# Altium PCB HV_DAC_8ch-DIOT.PCBDOC (part 1 of 11)
Units mm, origin at the board's own origin, x right, y up, seen from the top; angles counter-clockwise.
Board outline 222.63 x 100.1 mm, 8 copper layers (L1, L2, L3, P4, L5, L6, P7, L8), stack 1.563 mm thick; 971 components, 607 nets, 3066 pads, 1424 vias.
Unrouted connection lines stored in the file: 1.
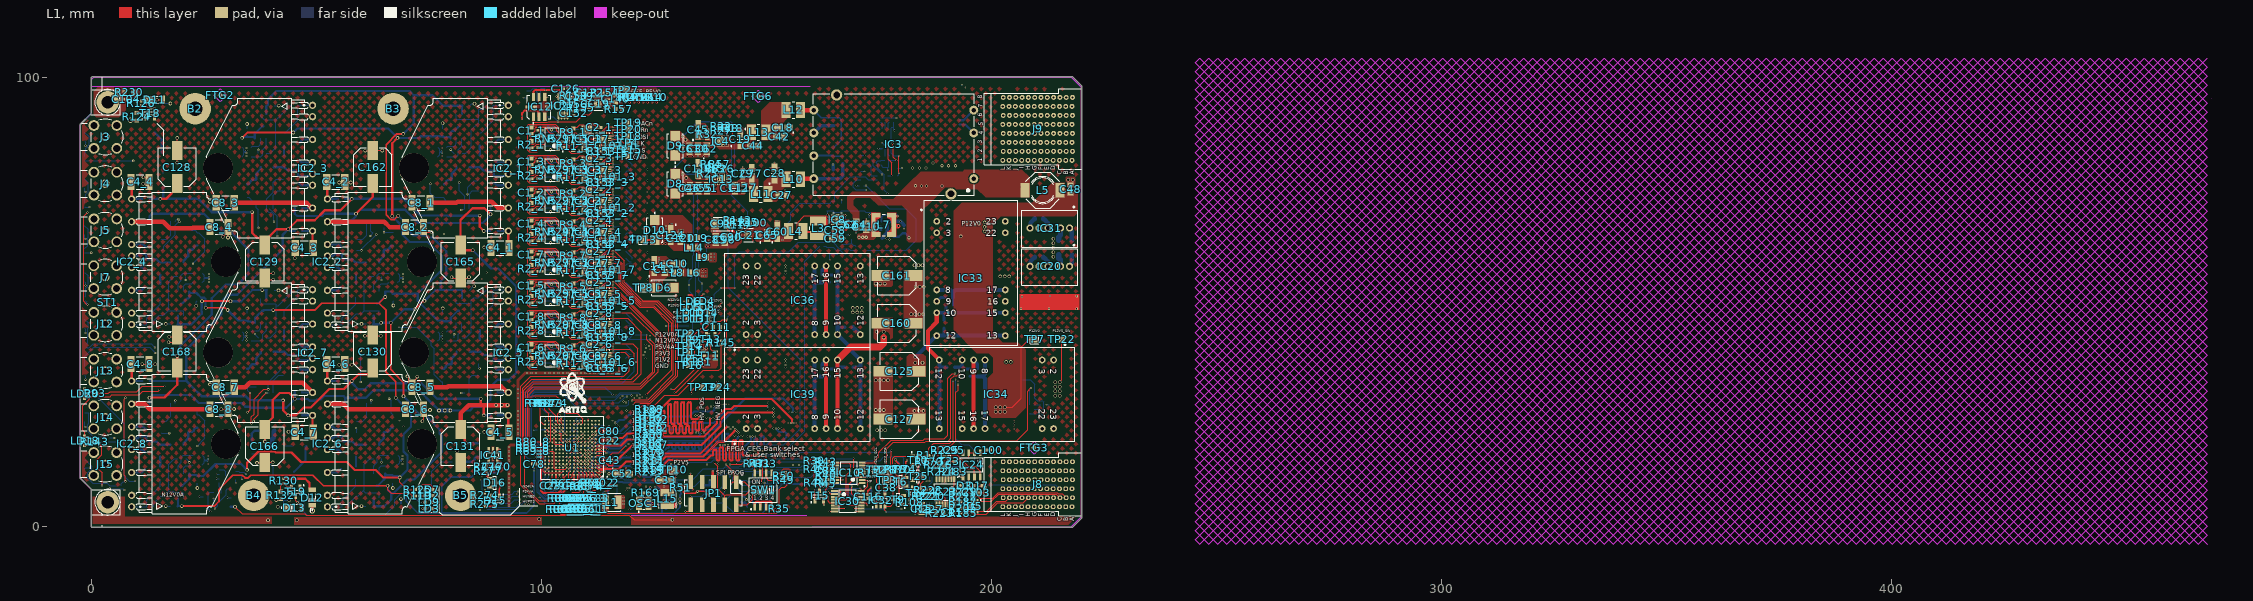
[diagram p0: L1 view]
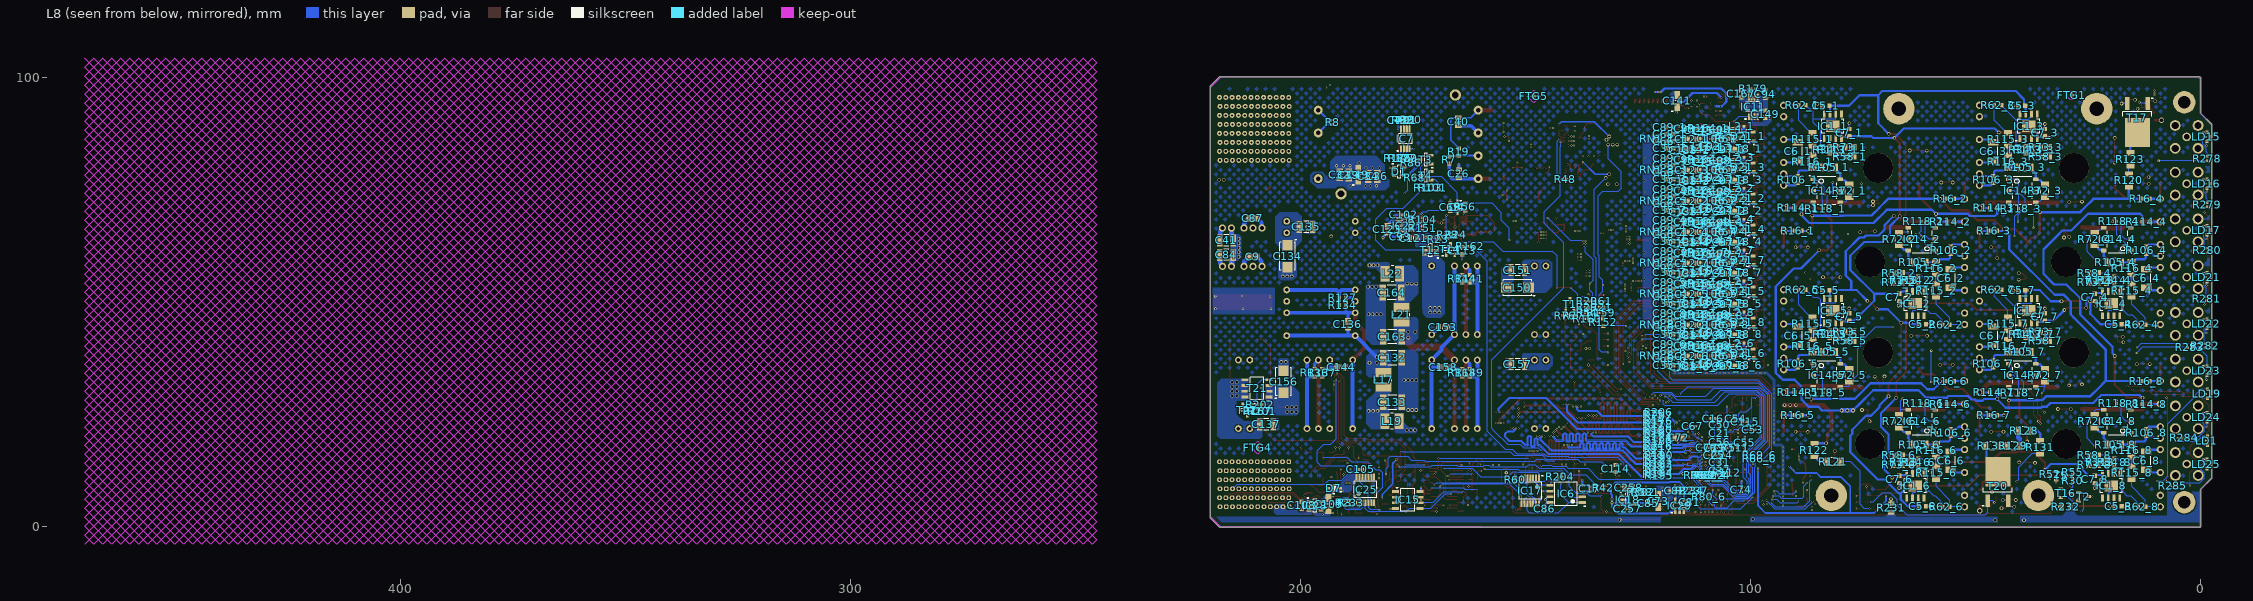
[diagram p1: L8 view, seen from below]
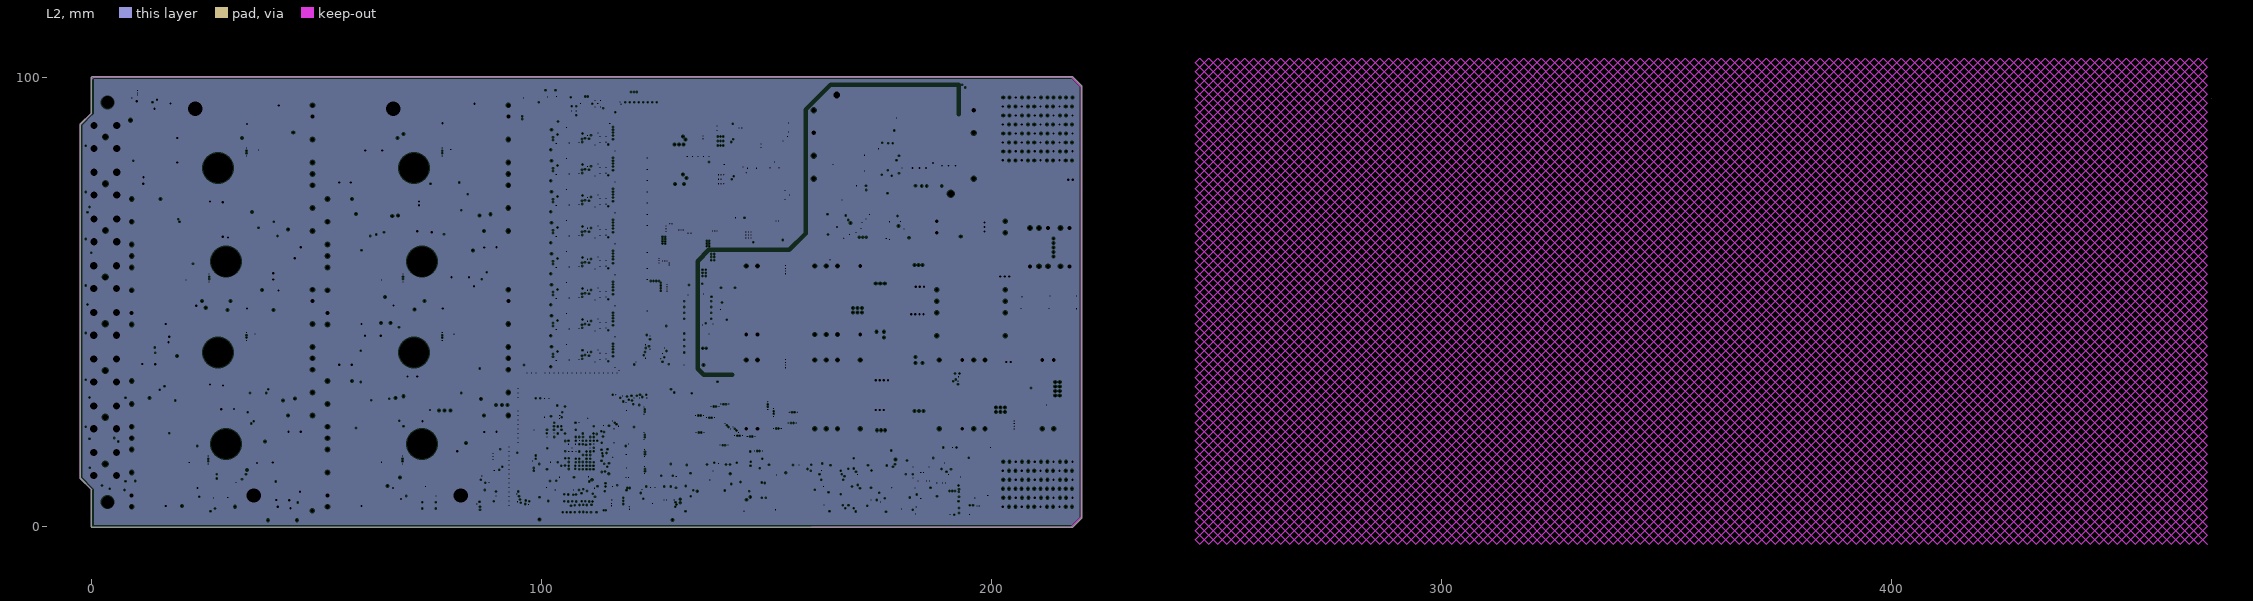
[diagram p2: L2, clearances drawn from the general rule]
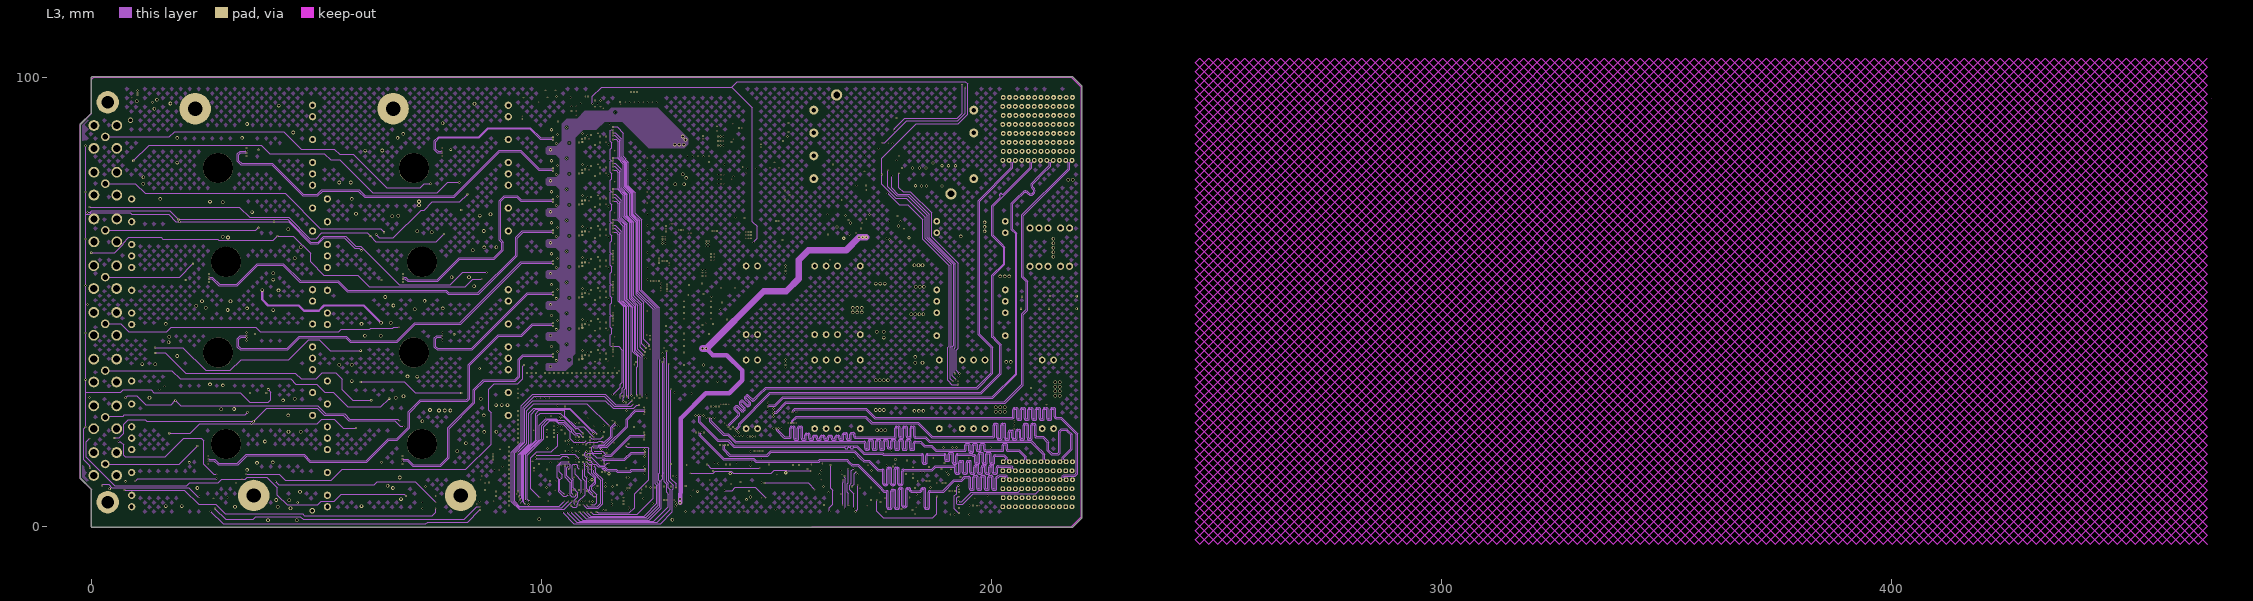
[diagram p3: L3]
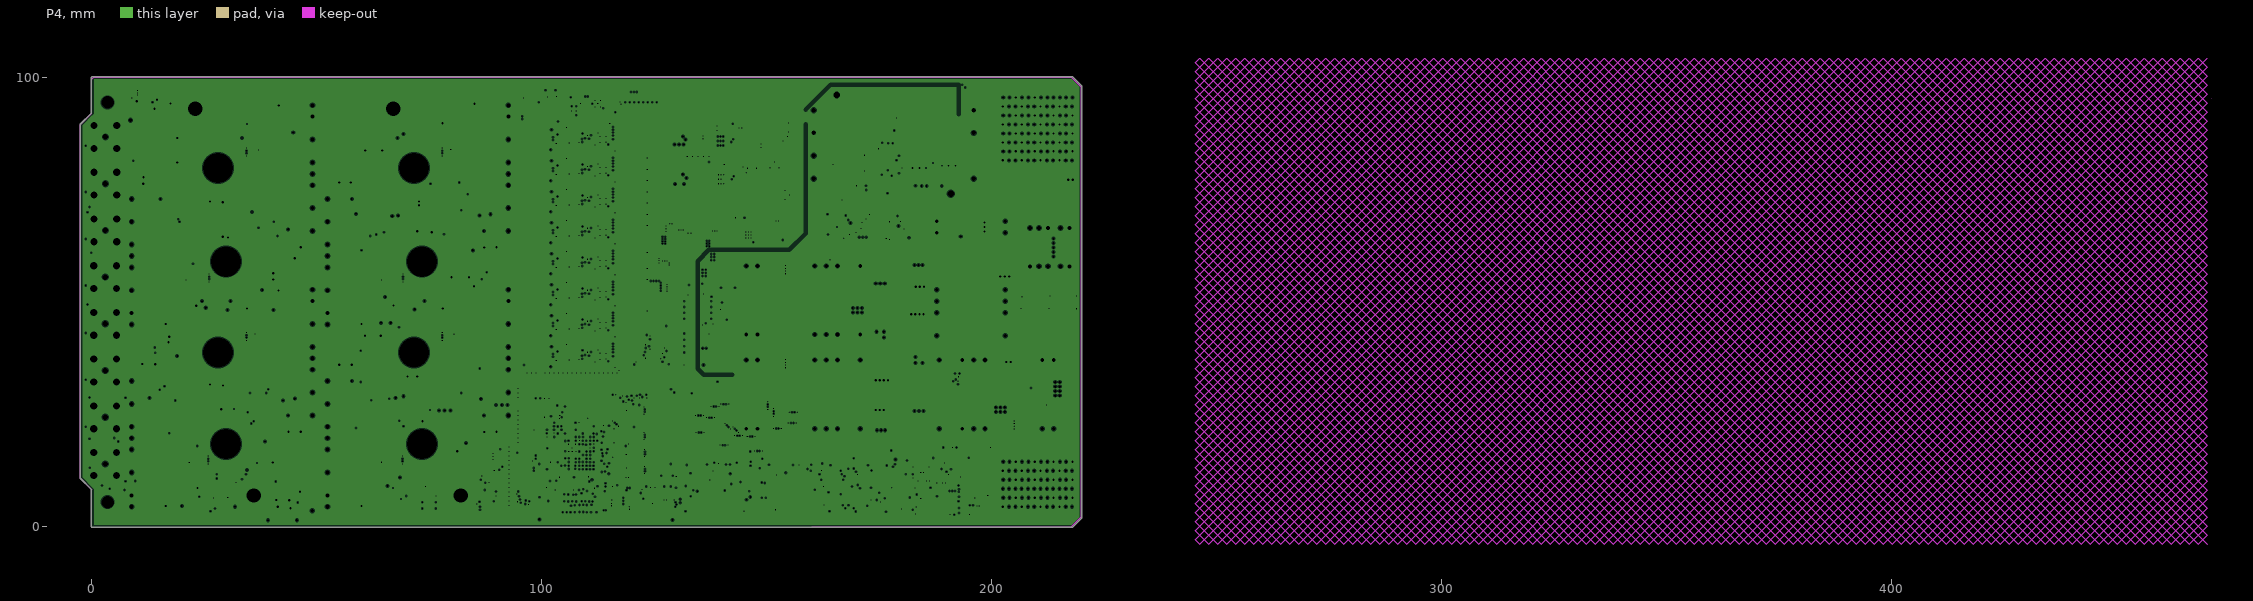
[diagram p4: P4, clearances drawn from the general rule]
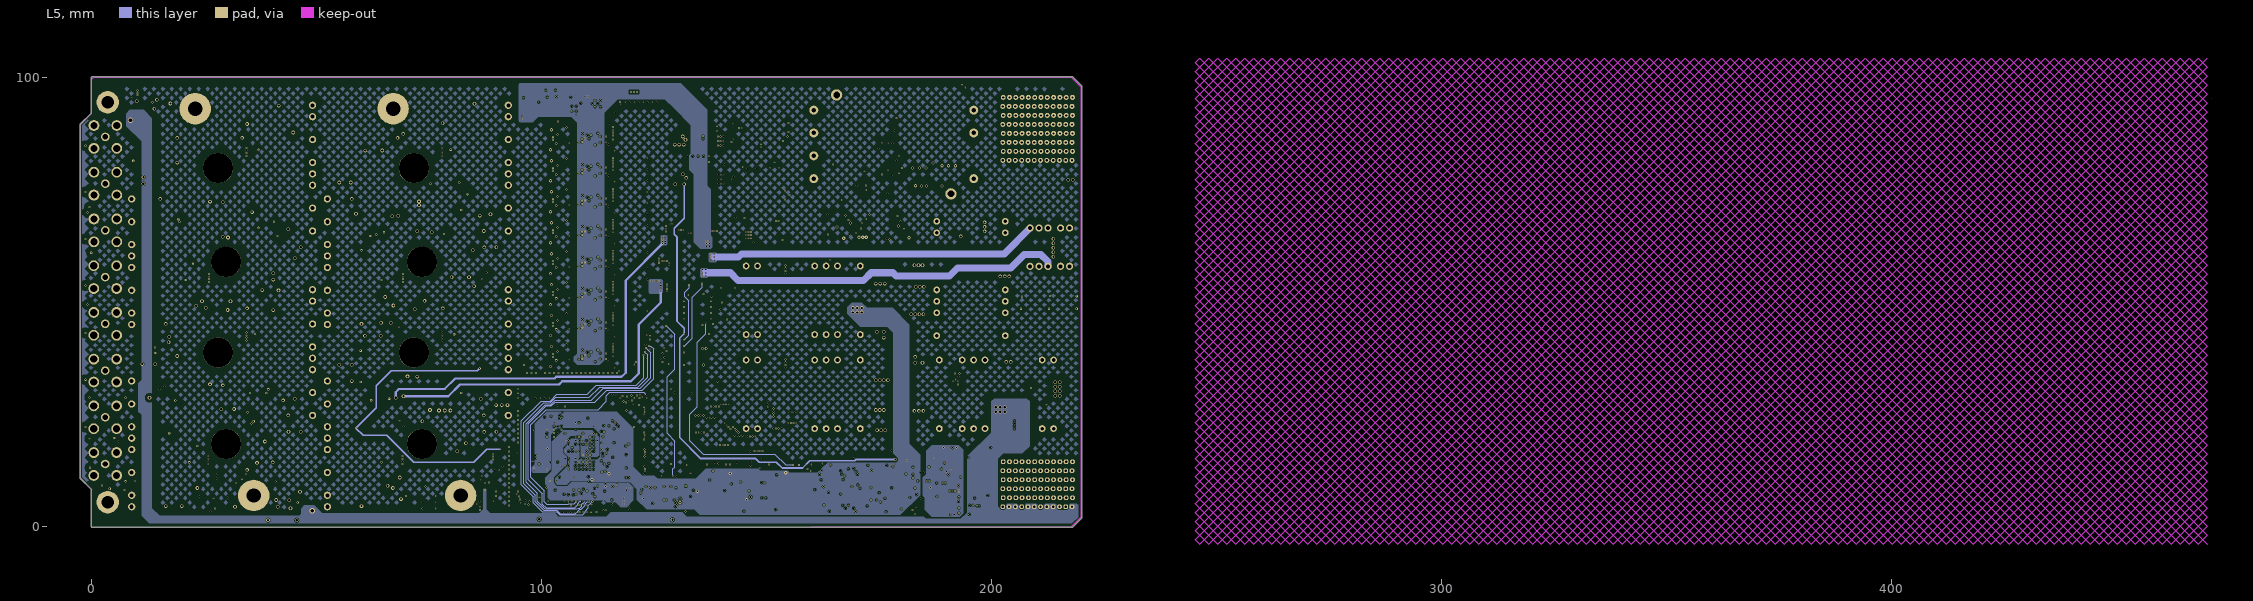
[diagram p5: L5]
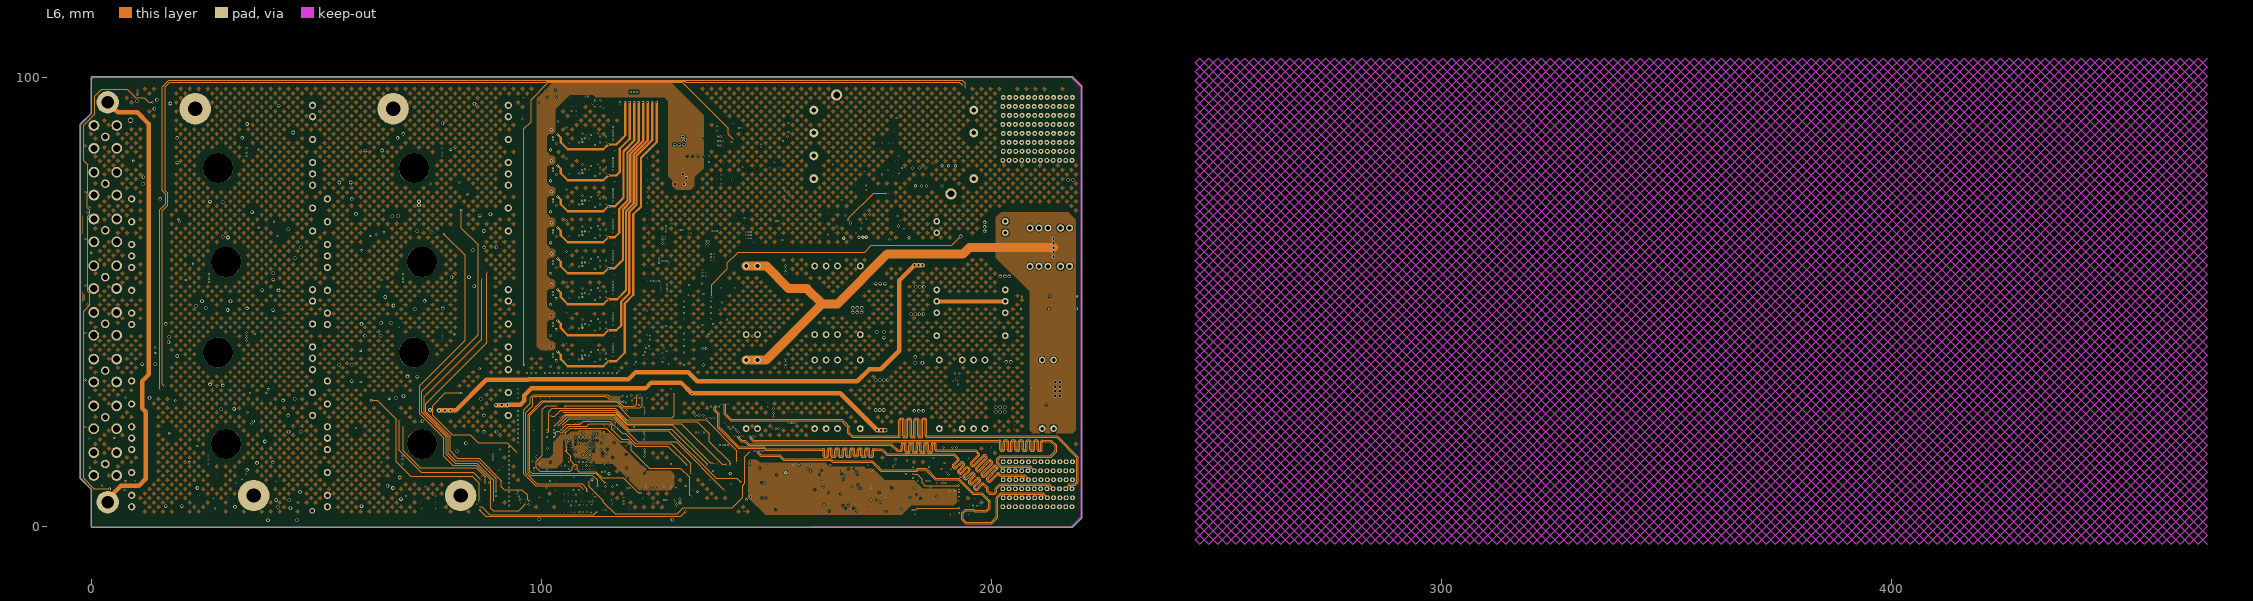
[diagram p6: L6]
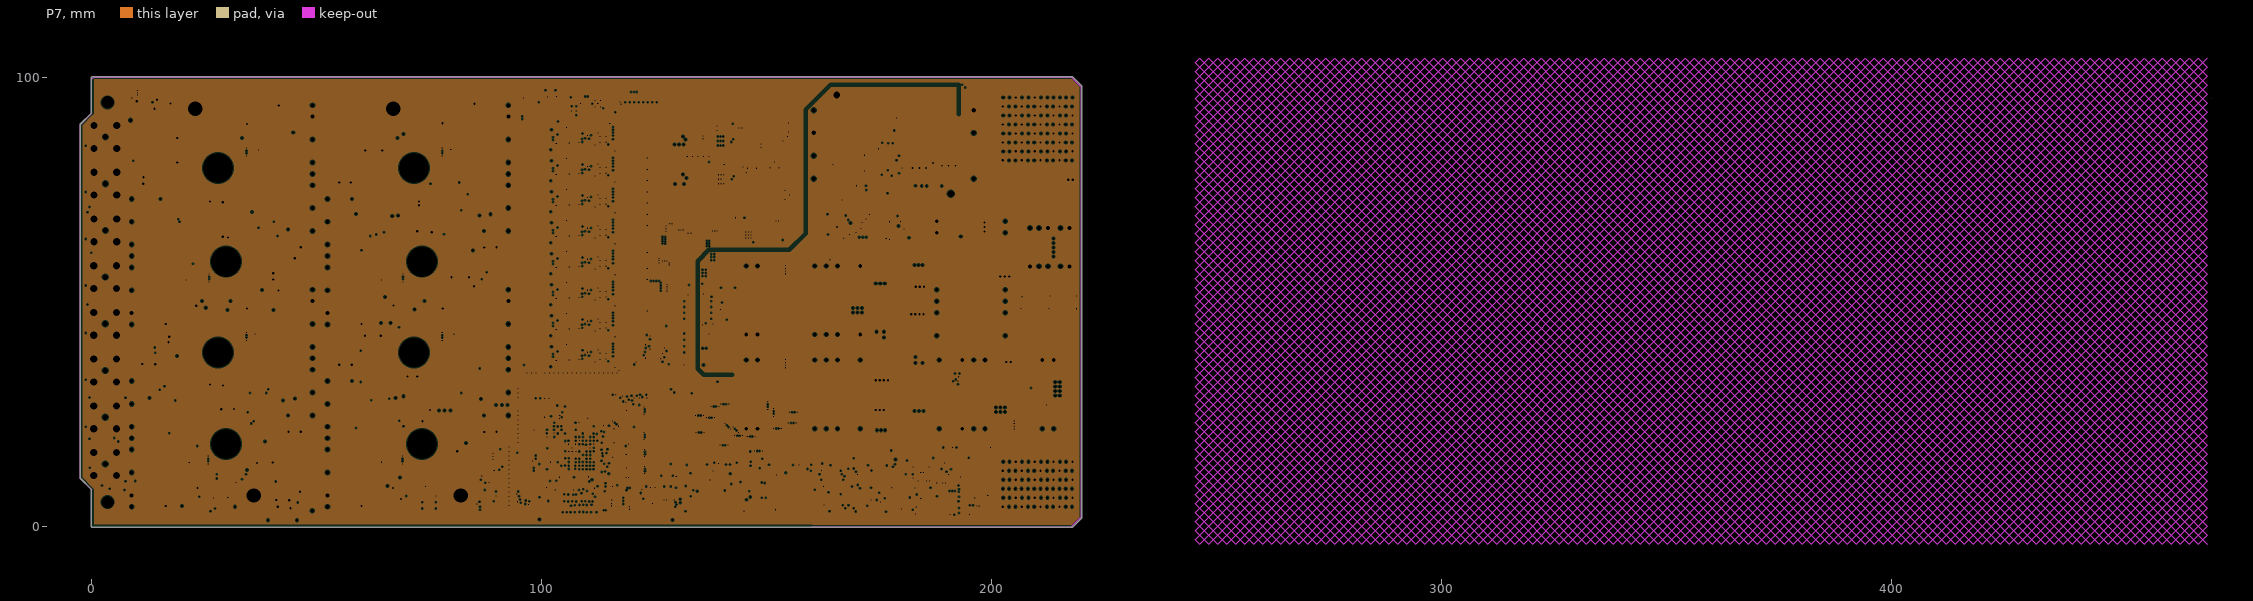
[diagram p7: P7, clearances drawn from the general rule]

## Layer stack, top to bottom
Top Solder: solder mask 0.034, Solder Resist, Dk 3.5
L1: signal copper 0.035
Dielectric1: prepreg 0.18, FR4, Dk 4.2
L2: plane copper 0.018, net GND
Dielectric 9: core 0.1016, FR4, Dk 4.5
L3: signal copper 0.018
Dielectric 1: prepreg 0.36, FR4, Dk 4.2
P4: plane copper 0.018, net GND
Dielectric 2: core 0.1016, FR4, Dk 4.5
L5: signal copper 0.018
Dielectric 8: prepreg 0.36, FR4, Dk 4.2
L6: signal copper 0.018
Dielectric4: core 0.1016, FR4, Dk 4.5
P7: plane copper 0.018, net GND
Dielectric3: prepreg 0.18, FR4, Dk 4.2
L8: signal copper 0.0356
Bottom Solder: solder mask 0.034, Solder Resist, Dk 3.5

## Board outline
-2.54,10.82 -2.54,22.645 -2.54,89.511 -2.525,89.546 -0.05,92.021 -0.05,100 0,100.05 218.039,100.05 218.075,100.036 220.074,98.036 220.089,98 220.089,2 220.074,1.964 218.075,-0.036 218.039,-0.05 92.814,-0.05 92.809,-0.051 75,-0.051 74.996,-0.05 0,-0.05 -0.05,0 -0.05,8.299

## Design rules (kind name [scope] priority, off if disabled: settings)
AcuteAngle [All] p1 off: minimum=3.00000000000000E+0001 checktracksonly=FALSE
Clearance Clearance_HVP_HVN [InNetClass('HVP') vs InNetClass('HVN')] p1: gap=1 ignorepadtopadclearanceinfootprint=FALSE
Clearance Clearance_HV [InNetClass('HV')] p2: gap=0.7 ignorepadtopadclearanceinfootprint=FALSE
Clearance Clearance_HVO [InNetClass('HVO')] p3: gap=0.7 ignorepadtopadclearanceinfootprint=FALSE
Clearance Clearance_HVP [InNetClass('HVP') vs NOT InNetClass('HVP')] p4: gap=0.7 ignorepadtopadclearanceinfootprint=FALSE
Clearance Clearance_HVN [InNetClass('HVN') vs NOT InNetClass('HVN')] p5: gap=0.7 ignorepadtopadclearanceinfootprint=FALSE
Clearance Clearance_LVDS [InNetClass('LVDS')] p6: gap=0.127 ignorepadtopadclearanceinfootprint=FALSE except(0.5: Arc-Poly Track-Poly SMDPad-Poly THPad-Poly Via-Poly Fill-Poly Poly-Poly)
Clearance Clearance_xtalk [InNetClass('xtalk analogue') vs InNetClass('xtalk digital')] p7: gap=0.203 ignorepadtopadclearanceinfootprint=TRUE except(0: Arc-Hole Track-Hole SMDPad-Hole THPad-Hole Via-Hole Fill-Hole Poly-Hole Region-Hole Text-Hole; 0.127: Arc-Arc Arc-Track Arc-SMDPad Arc-THPad Arc-Text Track-Track Track-SMDPad Track-THPad Track-Text SMDPad-SMDPad SMDPad-THPad SMDPad-Via SMDPad-Text THPad-THPad THPad-Via THPad-Text Via-Via Via-Text Fill-Text Poly-Text Region-Text Text-Text; 0.381: Arc-Via Track-Via) // Vias cause digital to analogue crosstalk
Clearance Clearance_polyGND [InNet('GND')] p8: gap=0.127 ignorepadtopadclearanceinfootprint=FALSE except(0: Arc-Hole Track-Hole SMDPad-Hole THPad-Hole Via-Hole Fill-Hole Poly-Hole Region-Hole Text-Hole)
Clearance Clearance_poly1V2 [InNet('P1V2')] p9: gap=0.127 ignorepadtopadclearanceinfootprint=FALSE except(0: Arc-Hole Track-Hole SMDPad-Hole THPad-Hole Via-Hole Fill-Hole Poly-Hole Region-Hole Text-Hole)
Clearance Clearance_poly2V5 [InNet('P2V5')] p10: gap=0.127 ignorepadtopadclearanceinfootprint=FALSE except(0: Arc-Hole Track-Hole SMDPad-Hole THPad-Hole Via-Hole Fill-Hole Poly-Hole Region-Hole Text-Hole)
Clearance Clearance_balance_to_keepout [InNamedPolygon('BALANCE') vs OnLayer('KeepOutLayer')] p11: gap=0.3 ignorepadtopadclearanceinfootprint=FALSE
Clearance Clearance_balance_to_all [InNamedPolygon('BALANCE')] p12: gap=1 ignorepadtopadclearanceinfootprint=FALSE
Clearance [All] p13: gap=0.127 ignorepadtopadclearanceinfootprint=FALSE except(0: Arc-Hole Track-Hole SMDPad-Hole THPad-Hole Via-Hole Fill-Hole Poly-Hole Region-Hole Text-Hole)
ComponentClearance ComponentClearance_Heatsink [Identifier = 'heatsink'] p1: gap=-5 collisioncheckmode=3 verticalgap=-5 showdistances=FALSE
ComponentClearance ComponentClearance_Panel [InComponent('ST1')] p2: gap=-5 collisioncheckmode=3 verticalgap=-5 showdistances=FALSE
ComponentClearance [All] p3: gap=0.025 collisioncheckmode=3 verticalgap=0.025 showdistances=FALSE
DiffPairsRouting [InNetClass('D100')] p1: maxlimit=0.232 minlimit=0.127 mostfreqgap=0.232 toplayer_maxgap=0.127 toplayer_prefgap=0.127 toplayer_minwidth=0.1 toplayer_maxwidth=0.1 toplayer_prefwidth=0.1 midlayer1_mingap=0.232 midlayer1_minwidth=0.1 midlayer1_maxwidth=0.1 midlayer1_prefwidth=0.1 midlayer3_mingap=0.232 midlayer3_minwidth=0.1 midlayer3_maxwidth=0.1 midlayer3_prefwidth=0.1 bottomlayer_maxgap=0.127 bottomlayer_prefgap=0.127 bottomlayer_minwidth=0.1 bottomlayer_maxwidth=0.1 bottomlayer_prefwidth=0.1 impedanceprofiledriven=TRUE impedanceprofileid={C5356CE7-965A-4367-9A99-CDD02D44FE60} impedanceprofilevalue=100.000000 maxuncoupledlength=20
FabricationTestPointUsage TestPointUsage [All] p1: valid=0 allowmultiple=FALSE
FabricationTestpoint Testpoint [All] p1: side=3 testpointundercomponent=TRUE minsize=1.016 maxsize=2.54 preferedsize=1.524 minholesize=0.508 maxholesize=1.016 preferedholesize=0.813 testpointgrid=0.025 allowsidetop=TRUE allowsidebottom=TRUE usegrid=TRUE gridtolerance=0
Height [All] p1: minheight=0 maxheight=40 prefheight=40
HoleSize [All] p1: absolutevalues=TRUE maxlimit=8 minlimit=0.025 maxpercent=80.000 minpercent=20.000
HoleToHoleClearance [All] p1: gap=0.025 allowstackedmicrovias=TRUE
Length DIOT [InxSignalClass('DIOT')] p1: maxlimit=90 minlimit=80
Length EEM [InxSignalClass('EEMR')] p2: maxlimit=120 minlimit=100
MatchedLengths MatchedLengths_inter [InNetClass('LVDS')] p1: tolerance=1 checknetsindiffpair=FALSE checkdiffpairvsdiffpair=TRUE checkxsignals=TRUE checkothers=TRUE usedelayunits=TRUE delaytolerance=50.000000
MatchedLengths MatchedLengths_intra [InNetClass('LVDS')] p2: tolerance=1 checknetsindiffpair=TRUE checkdiffpairvsdiffpair=FALSE checkxsignals=FALSE checkothers=FALSE usedelayunits=TRUE delaytolerance=50.000000
MinimumSolderMaskSliver [All] p1: minsoldermaskwidth=0.02
PlaneClearance [All] p1: clearance=0.2
PlaneConnect PlaneConnect_Pressfit [InComponent('J8') or InComponent('J9')] p1: planeconnectstyle=Direct reliefexpansion=0.508 reliefentries=4 reliefconductorwidth=0.254 reliefairgap=0.254
PlaneConnect [All] p2: pad.planeconnectstyle=Relief pad.reliefexpansion=0.508 pad.reliefentries=4 pad.reliefconductorwidth=0.254 pad.reliefairgap=0.254 via.planeconnectstyle=Direct via.reliefexpansion=0.508 via.reliefentries=4 via.reliefconductorwidth=0.254 via.reliefairgap=0.254
PolygonConnect PolygonConnect_amphenol [HasFootprint('AMPHENOL_10052825-101LF')   or HasFootprint('AMPHENOL_10052837-101LF')   or     HasFootprint('AMPHENOL_10052838-101LF')] p1: connectstyle=Direct reliefconductorwidth=0.254 reliefentries=4 polygonreliefangle="45 Angle" airgapwidth=0.254
PolygonConnect PolygonConnect_pad [(InPadClass('All Pads'))] p2: thpad.connectstyle=Relief thpad.reliefconductorwidth=0.254 thpad.reliefentries=4 thpad.polygonreliefangle="90 Angle" thpad.airgapwidth=0.254 smdpad.connectstyle=Direct smdpad.reliefconductorwidth=0.254 smdpad.reliefentries=4 smdpad.polygonreliefangle="90 Angle" smdpad.airgapwidth=0.254 via.connectstyle=Direct via.reliefconductorwidth=0.254 via.reliefentries=4 via.polygonreliefangle="90 Angle" via.airgapwidth=0.254
PolygonConnect [All] p3: thpad.connectstyle=Relief thpad.reliefconductorwidth=0.254 thpad.reliefentries=4 thpad.polygonreliefangle="90 Angle" thpad.airgapwidth=0.254 smdpad.connectstyle=Direct smdpad.reliefconductorwidth=0.254 smdpad.reliefentries=4 smdpad.polygonreliefangle="90 Angle" smdpad.airgapwidth=0.254 via.connectstyle=Direct via.reliefconductorwidth=0.254 via.reliefentries=4 via.polygonreliefangle="90 Angle" via.airgapwidth=0.254
RoomDefinition U_HV_DAC_8ch_FPGA_LVDS [InComponentClass('U_HV_DAC_8ch_FPGA_LVDS')] p1 off: confinementstyle=ConfineIn formatcopy=TRUE lockcomponents=FALSE outline -101.6,-152.4 -50.8,-152.4 -50.8,-127 -101.6,-127
RoomDefinition U_HV_DAC_8ch_FPGA_Config [InComponentClass('U_HV_DAC_8ch_FPGA_Config')] p2 off: confinementstyle=ConfineIn formatcopy=TRUE lockcomponents=FALSE outline -101.6,-152.4 -50.8,-152.4 -50.8,-127 -101.6,-127
RoomDefinition U_HV_DAC_8ch_FPGA [InComponentClass('U_HV_DAC_8ch_FPGA')] p3 off: confinementstyle=ConfineIn formatcopy=TRUE lockcomponents=FALSE outline -101.6,-152.4 -50.8,-152.4 -50.8,-127 -101.6,-127
RoomDefinition HV_DAC_8ch-DIOT [InComponentClass('HV_DAC_8ch-DIOT')] p4 off: confinementstyle=ConfineIn formatcopy=TRUE lockcomponents=FALSE outline 221.199,-0.5 248.999,-0.5 248.999,6 221.199,6
RoomDefinition DAC_Series_Termination8 [InComponentClass('DAC_Series_Termination8')] p5 off: confinementstyle=ConfineIn formatcopy=TRUE lockcomponents=FALSE outline 80.34,6.528 131.14,6.528 131.14,31.928 80.34,31.928
RoomDefinition DAC_Series_Termination7 [InComponentClass('DAC_Series_Termination7')] p6 off: confinementstyle=ConfineIn formatcopy=TRUE lockcomponents=FALSE outline 80.34,6.528 131.14,6.528 131.14,31.928 80.34,31.928
RoomDefinition DAC_Series_Termination6 [InComponentClass('DAC_Series_Termination6')] p7 off: confinementstyle=ConfineIn formatcopy=TRUE lockcomponents=FALSE outline 80.34,6.528 131.14,6.528 131.14,31.928 80.34,31.928
RoomDefinition DAC_Series_Termination5 [InComponentClass('DAC_Series_Termination5')] p8 off: confinementstyle=ConfineIn formatcopy=TRUE lockcomponents=FALSE outline 80.34,6.528 131.14,6.528 131.14,31.928 80.34,31.928
RoomDefinition DAC_Series_Termination4 [InComponentClass('DAC_Series_Termination4')] p9 off: confinementstyle=ConfineIn formatcopy=TRUE lockcomponents=FALSE outline 80.34,6.528 131.14,6.528 131.14,31.928 80.34,31.928
RoomDefinition DAC_Series_Termination3 [InComponentClass('DAC_Series_Termination3')] p10 off: confinementstyle=ConfineIn formatcopy=TRUE lockcomponents=FALSE outline 80.34,6.528 131.14,6.528 131.14,31.928 80.34,31.928
RoomDefinition DAC_Series_Termination2 [InComponentClass('DAC_Series_Termination2')] p11 off: confinementstyle=ConfineIn formatcopy=TRUE lockcomponents=FALSE outline 90.322,6.934 120.015,6.934 120.015,29.616 90.322,29.616
RoomDefinition DAC_Series_Termination1 [InComponentClass('DAC_Series_Termination1')] p12 off: confinementstyle=ConfineIn formatcopy=TRUE lockcomponents=FALSE outline 121.234,31.267 94.463,31.267 94.463,16.408 121.234,16.408
RoomDefinition U_HV_DAC_8ch_Supply [InComponentClass('U_HV_DAC_8ch_Supply')] p13 off: confinementstyle=ConfineIn formatcopy=TRUE lockcomponents=FALSE outline 138.984,95.152 150.139,95.152 150.139,93.066 138.984,93.066
RoomDefinition U_HV_DAC_8ch_References [InComponentClass('U_HV_DAC_8ch_References')] p14 off: confinementstyle=ConfineIn formatcopy=TRUE lockcomponents=FALSE outline 32.461,11.684 92.075,11.684 92.075,0.94 32.461,0.94
RoomDefinition FPGA_Supply [InComponentClass('FPGA_Supply')] p15 off: confinementstyle=ConfineIn formatcopy=TRUE lockcomponents=FALSE outline 88.138,0.787 128.859,0.787 128.859,32.395 88.138,32.395
RoomDefinition DAC_channel8 [InComponentClass('DAC_channel8')] p16 off: confinementstyle=ConfineIn formatcopy=TRUE lockcomponents=FALSE outline 66.125,28.087 89.798,28.087 89.798,34.615 66.125,34.615
RoomDefinition DAC_channel7 [InComponentClass('DAC_channel7')] p17 off: confinementstyle=ConfineIn formatcopy=TRUE lockcomponents=FALSE outline 40.974,31.16 64.647,31.16 64.647,37.688 40.974,37.688
RoomDefinition DAC_channel6 [InComponentClass('DAC_channel6')] p18 off: confinementstyle=ConfineIn formatcopy=TRUE lockcomponents=FALSE outline 66.125,21.2 89.798,21.2 89.798,27.728 66.125,27.728
RoomDefinition DAC_channel5 [InComponentClass('DAC_channel5')] p19 off: confinementstyle=ConfineIn formatcopy=TRUE lockcomponents=FALSE outline 40.974,24.273 64.647,24.273 64.647,30.801 40.974,30.801
RoomDefinition DAC_channel4 [InComponentClass('DAC_channel4')] p20 off: confinementstyle=ConfineIn formatcopy=TRUE lockcomponents=FALSE outline 66.125,14.314 89.798,14.314 89.798,20.842 66.125,20.842
RoomDefinition DAC_channel3 [InComponentClass('DAC_channel3')] p21 off: confinementstyle=ConfineIn formatcopy=TRUE lockcomponents=FALSE outline 40.974,17.387 64.647,17.387 64.647,23.914 40.974,23.914
RoomDefinition DAC_channel2 [InComponentClass('DAC_channel2')] p22 off: confinementstyle=ConfineIn formatcopy=TRUE lockcomponents=FALSE outline 66.125,7.427 89.798,7.427 89.798,13.955 66.125,13.955
RoomDefinition DAC_channel1 [InComponentClass('DAC_channel1')] p23 off: confinementstyle=ConfineIn formatcopy=TRUE lockcomponents=FALSE outline 40.919,10.668 64.592,10.668 64.592,17.196 40.919,17.196
RoutingVias RoutingVias_P24 [InNet('P24VA')  OR InNet('N24VA')] p1: holewidth=0.711 width=1.27 viastyle="Through Hole" minholewidth=0.711 minwidth=1.27 maxholewidth=0.711 maxwidth=1.27 useviatemplates=TRUE viatemplateguid#1={DEF00AAA-85EB-4997-9F9C-77871F8FBCBA} viatemplatename#1=v80h50m0mx0
RoutingVias RoutingVias_HV [InNetClass('HV')] p2: holewidth=0.711 width=1.27 viastyle="Through Hole" minholewidth=0.711 minwidth=1.27 maxholewidth=0.711 maxwidth=1.27 useviatemplates=TRUE viatemplateguid#1={DEF00AAA-85EB-4997-9F9C-77871F8FBCBA} viatemplatename#1=v80h50m0mx0
RoutingVias RoutingVias_HP [InNetClass('Hpower')] p3: holewidth=0.711 width=1.27 viastyle="Through Hole" minholewidth=0.711 minwidth=1.27 maxholewidth=0.711 maxwidth=1.27 useviatemplates=TRUE viatemplateguid#1={F2BC57AB-91B1-465B-BAE5-14A63362E509} viatemplatename#1=v120h80m0mx0